# Altium PCB Buck_60W20V.pcbdoc (part 1 of 2)
Units mm, origin at the board's own origin, x right, y up, seen from the top; angles counter-clockwise.
Board outline 100.05 x 100.05 mm, 2 copper layers (Top Layer, Bottom Layer), stack 1.671 mm thick; 155 components, 86 nets, 482 pads, 532 vias.
Unrouted connection lines stored in the file: 116.
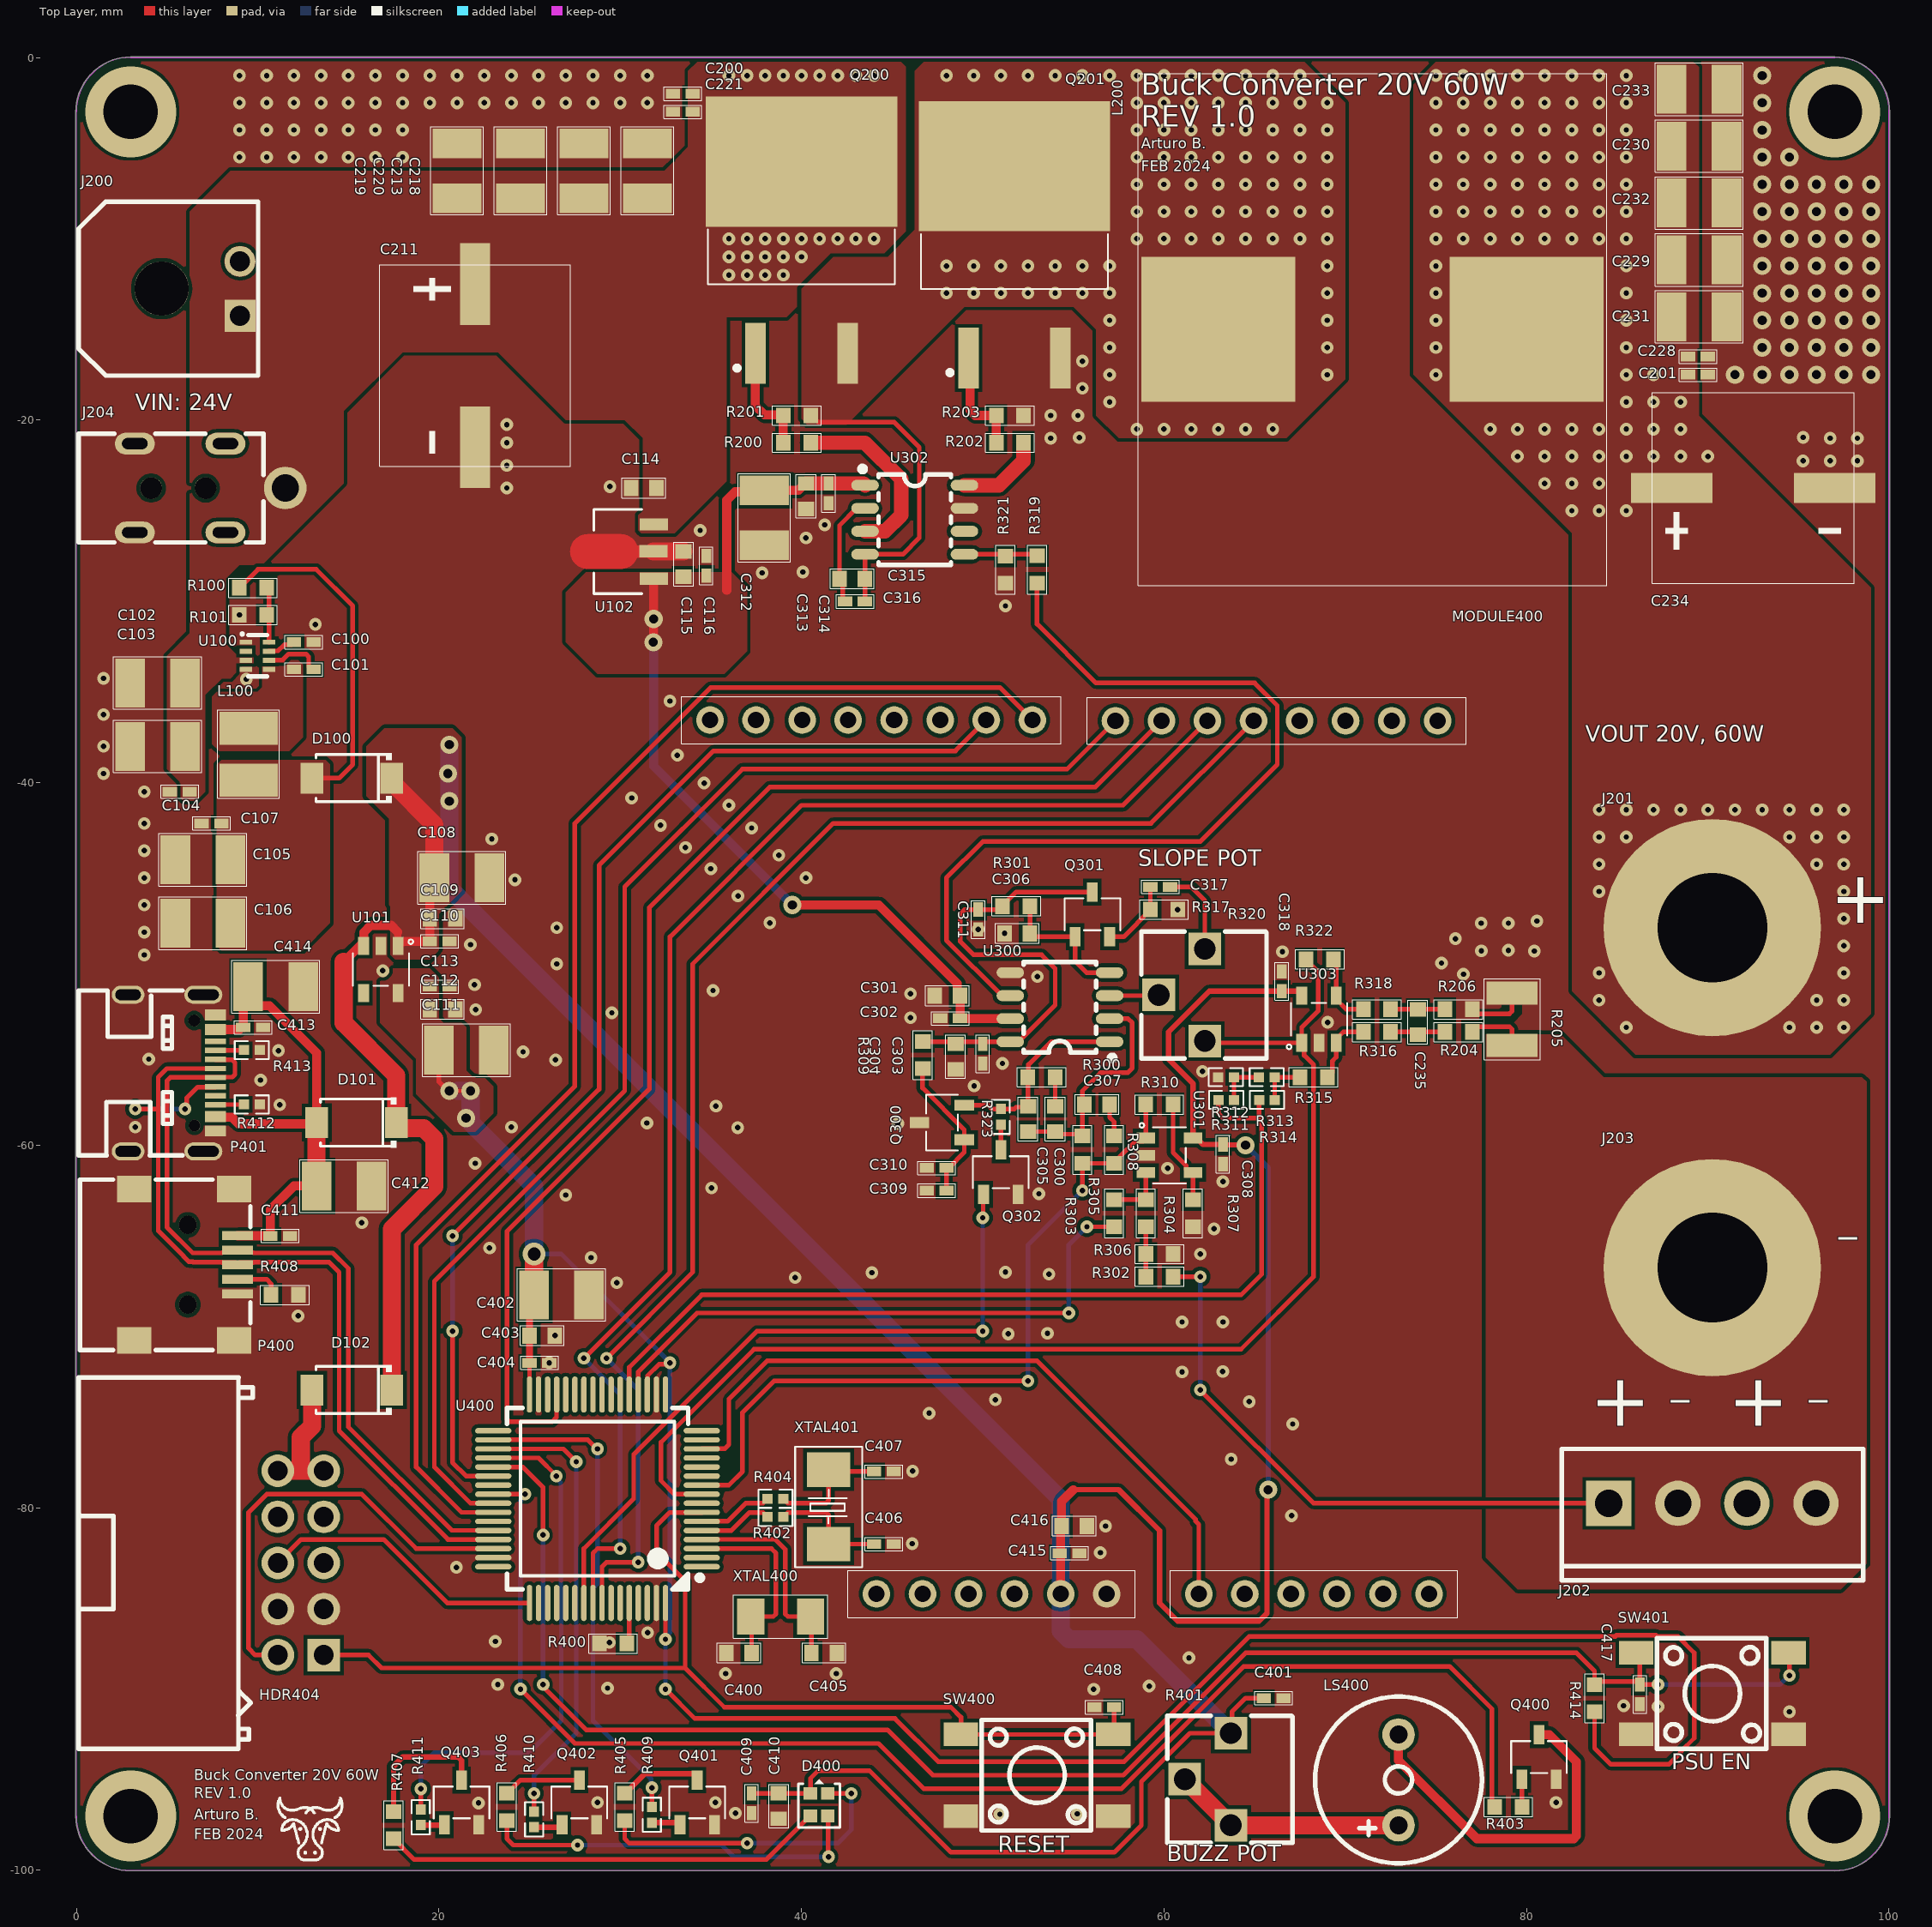
[diagram p0: Top Layer view]
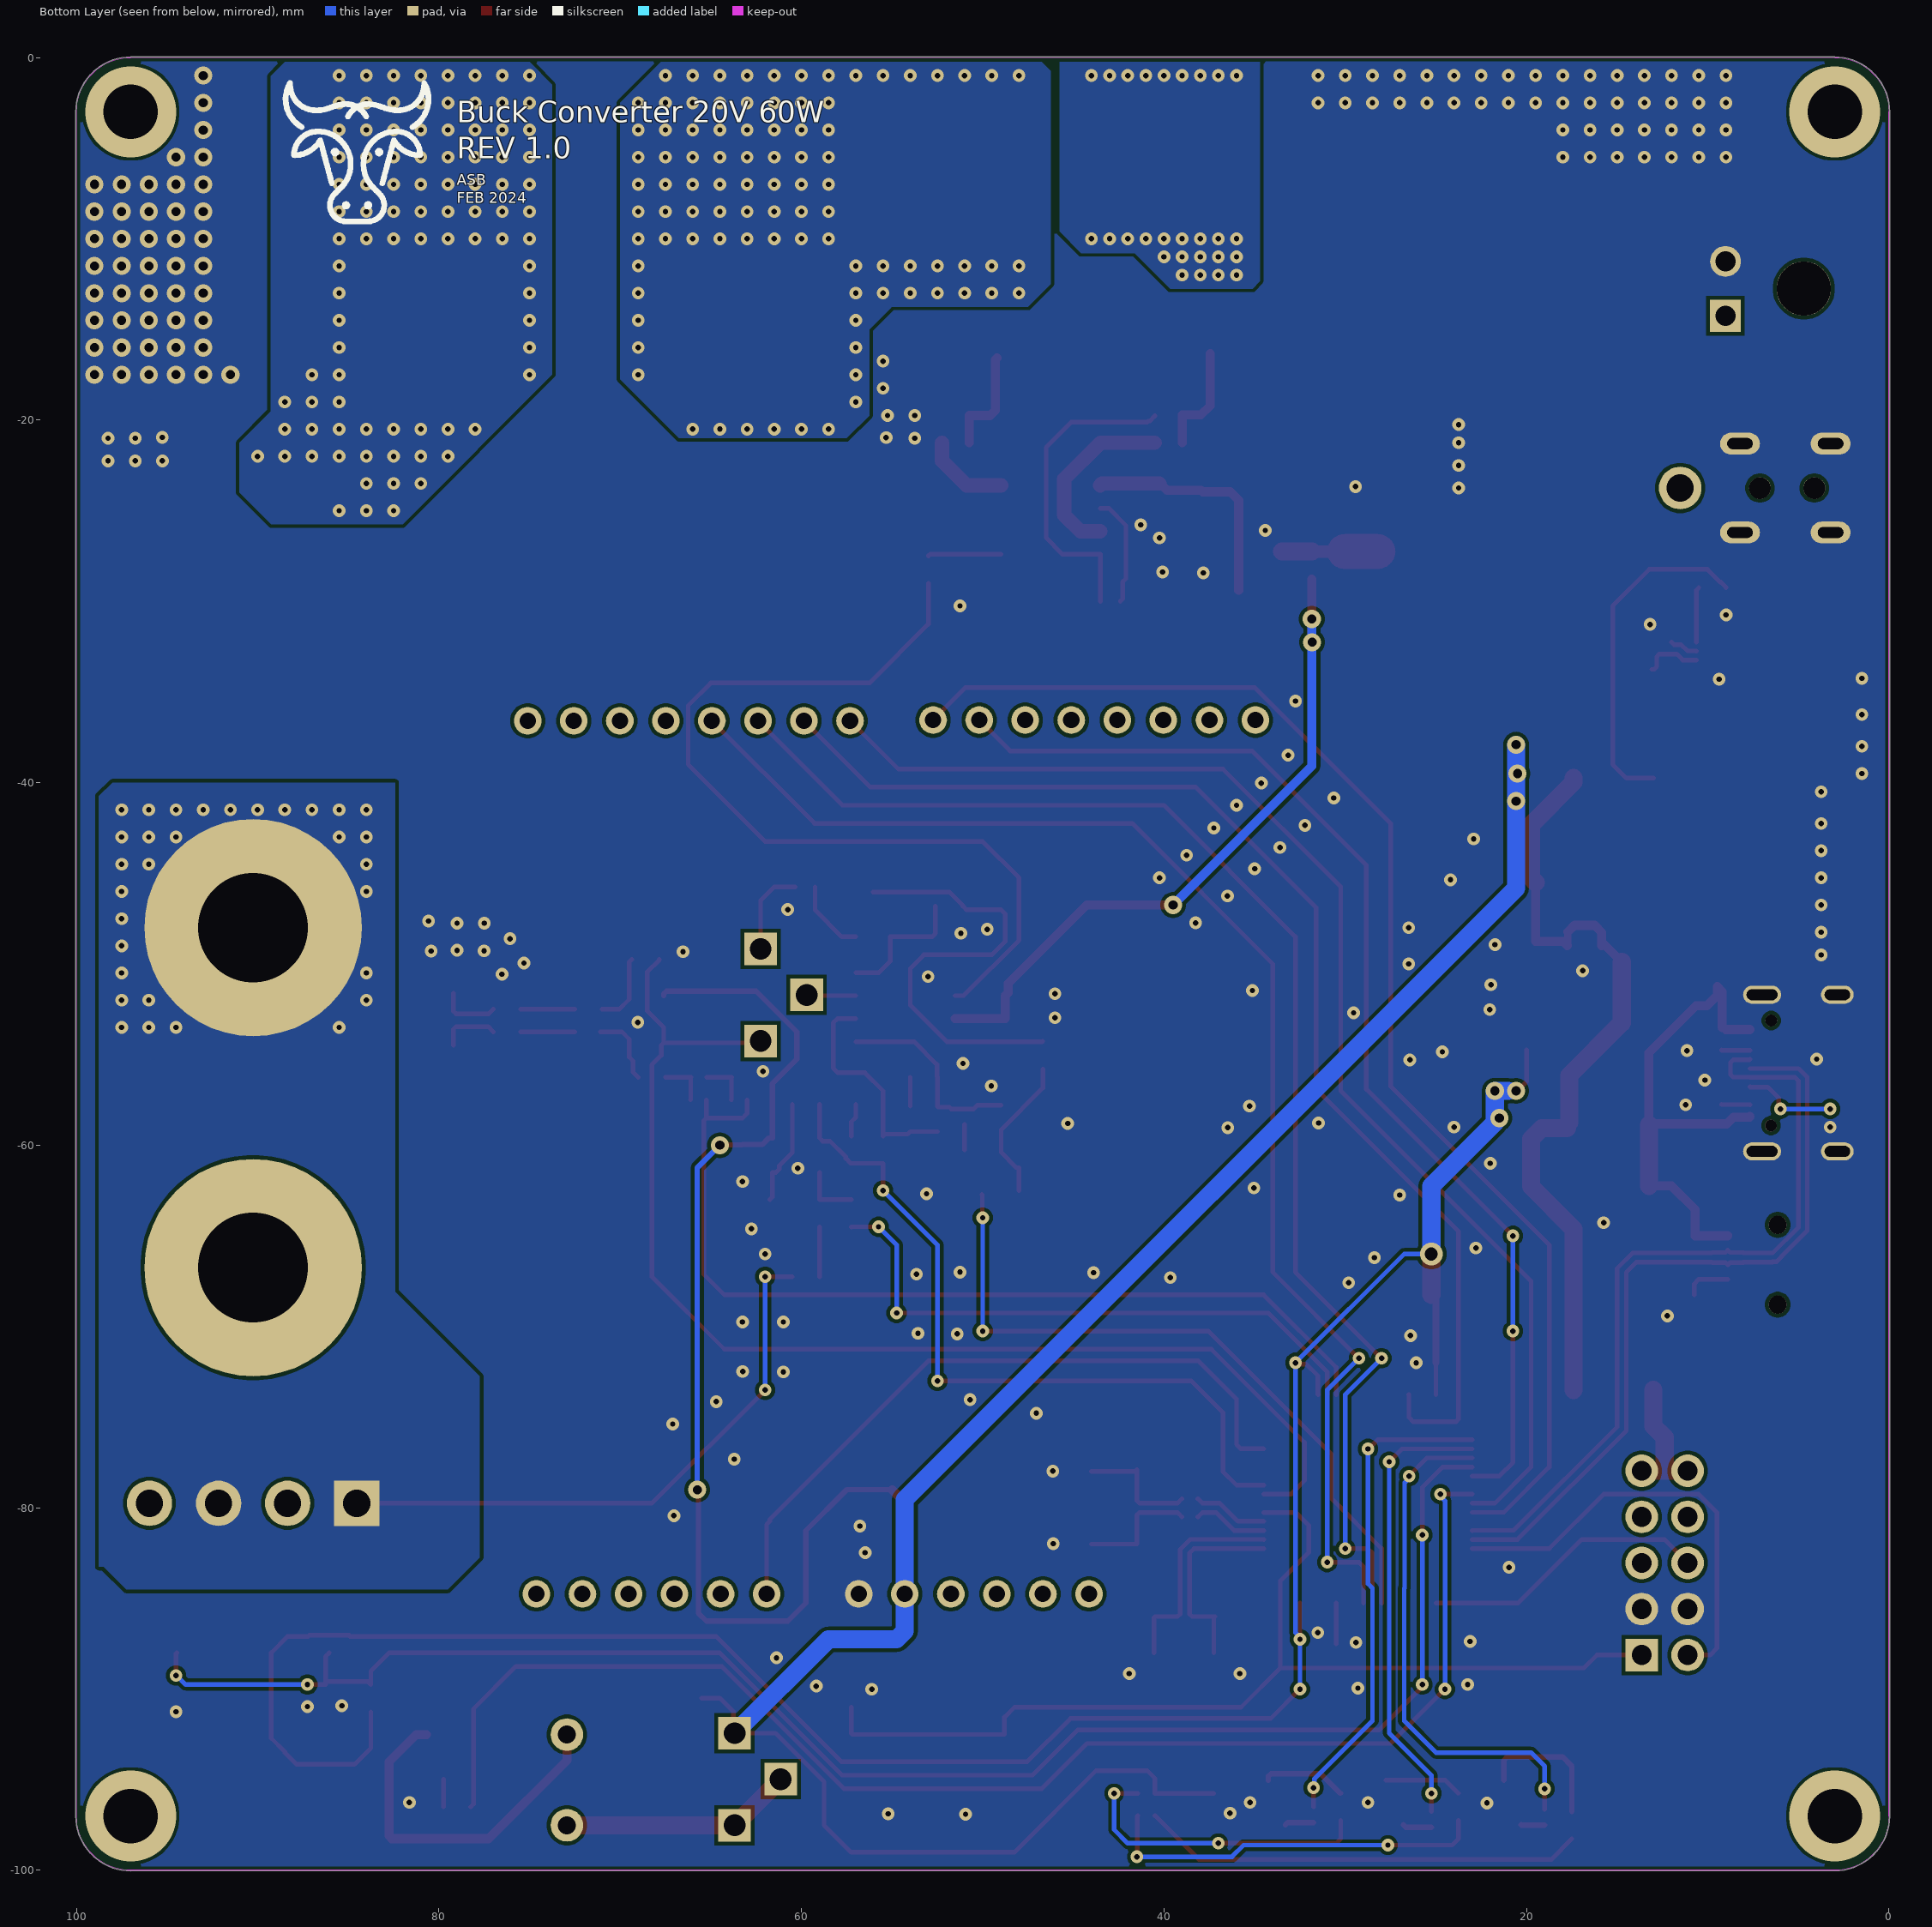
[diagram p1: Bottom Layer view, seen from below]

## Layer stack, top to bottom
Top Solder: solder mask 0.0102, Solder Resist, Dk 3.5
Top Layer: signal copper 0.0356
Dielectric 1: dielectric 1.6, FR-4, Dk 4.8
Bottom Layer: signal copper 0.0356
Bottom Solder: solder mask 0.0102, Solder Resist, Dk 3.5

## Board outline
2.728,-100.013 cw(c3,-97) -0.025,-97 -0.025,-3 cw(c3,-3) 3,0.025 97,0.025 cw(c97,-3) 100.025,-3 100.025,-97 cw(c97,-97) 97,-100.025

## Design rules (kind name [scope] priority, off if disabled: settings)
Clearance [All] p1: gap=0.2 ignorepadtopadclearanceinfootprint=TRUE
DiffPairsRouting [All] p1: maxlimit=0.254 minlimit=0.1 mostfreqgap=0.254 toplayer_minwidth=0.254 toplayer_maxwidth=0.381 toplayer_prefwidth=0.381 bottomlayer_minwidth=0.254 bottomlayer_maxwidth=0.381 bottomlayer_prefwidth=0.381 maxuncoupledlength=12.7
PolygonConnect [All] p1: connectstyle=Direct reliefconductorwidth=0.254 reliefentries=4 polygonreliefangle="90 Angle" airgapwidth=0.254
RoutingVias [All] p1: holewidth=0.711 width=1.27 viastyle="Through Hole" minholewidth=0.711 minwidth=1.27 maxholewidth=0.711 maxwidth=1.27
SilkToSilkClearance [All] p1: silktosilkclearance=0
SilkToSolderMaskClearance [IsPad] p1: minsilkscreentomaskgap=0 clearancetoexposedcopper=TRUE
SolderMaskExpansion Tent_Vias [IsVia] p1: expansion=0.102 istentingtop=TRUE
SolderMaskExpansion [All] p2: expansion=0.102 istentingtop=FALSE
Width [All] p1: maxlimit=10 minlimit=0.203 preferedwidth=0.254
27 further rules are at their usual default settings.

## Classes and differential pairs
component class U_MCU_buck: C400 C401 C402 C403 C404 C405 C406 C407 C408 C409 C410 C411 C412 C413 C414 C415 C416 C417 D400 HDR404 LS400 MODULE400 P400 P401 Q400 Q401 Q402 Q403 R400 R401 R402 R403 R404 R405 R406 R407 R408 R409 R410 R411 R412 R413 R414 SW400 SW401 U400 XTAL400 XTAL401
component class U_Main_Buck: C200 C201 C211 C213 C218 C219 C220 C221 C228 C229 C230 C231 C232 C233 C234 C235 J200 J201 J202 J203 J204 L200 Q200 Q201 R200 R201 R202 R203 R204 R205 R206
component class U_Feedback_Controller_Buck: C300 C301 C302 C303 C304 C305 C306 C307 C308 C309 C310 C311 C312 C313 C314 C315 C316 C317 C318 Q300 Q301 Q302 R300 R301 R302 R303 R304 R305 R306 R307 R308 R309 R310 R311 R312 R313 R314 R315 R316 R317 R318 R319 R320 R321 R322 R323 U300 U301 U302 U303
component class Top_View: C100 C101 C102 C103 C104 C105 C106 C107 C108 C109 C110 C111 C112 C113 C114 C115 C116 D100 D101 D102 L100 R100 R101 U100 U101 U102
differential pair xtal_8meg: +xtal_8meg_P -xtal_8meg_N
differential pair xtal_32k: +xtal_32k_P -xtal_32k_N
differential pair USB_D: +USB_D_P -USB_D_N
differential pair shunt_fil: +shunt_fil_P -shunt_fil_N
differential pair _xtal_8meg: +_xtal_8meg_P -_xtal_8meg_N

## Components (designator, comment, footprint, x,y, rotation, side; value= is the part's Value field where it differs from the comment)
C100 "CAPACITOR" CAP_0402 12.545,-32.25 r0 top value=100N
C101 "CAPACITOR" CAP_0402 12.545,-33.75 r180 top value=100N
C102 "CAPACITOR" CAP_1210 4.483,-34.5 r0 top value=10U
C103 "CAPACITOR" CAP_1210 4.483,-38 r0 top value=10U
C104 "CAPACITOR" CAP_0402 5.705,-40.5 r0 top value=100N
C105 "CAPACITOR" CAP_1210 6.983,-44.25 r0 top value=10U
C106 "CAPACITOR" CAP_1210 6.983,-47.75 r0 top value=10U
C107 "CAPACITOR" CAP_0402 7.455,-42.25 r0 top value=100N
C108 "CAPACITOR" CAP_1210 21.267,-45.25 r180 top value=10U
C109 "CAPACITOR" CAP_0603 20.2,-47.5 r180 top value=1U
C110 "CAPACITOR" CAP_0402 20.045,-48.75 r180 top value=100N
C111 "CAPACITOR" CAP_1210 21.517,-54.75 r180 top value=10U
C112 "CAPACITOR" CAP_0603 20.2,-52.5 r180 top value=1U
C113 "CAPACITOR" CAP_0402 20.045,-51.25 r180 top value=100N
C114 "CAPACITOR" CAP_0603 31.3,-23.75 r0 top value=1U
C115 "CAPACITOR" CAP_0603 33.5,-27.95 r270 top value=1U
C116 "CAPACITOR" CAP_0402 34.75,-28.045 r90 top value=100N
C200 "CAPACITOR" CAP_0402 33.455,-2 r0 top value=1N
C201 "CAPACITOR" CAP_0402 89.455,-17.5 r0 top value=1N
C211 "CAPACITOR_POLARIZED" CAP_SMD_UUD1H221MNL1GS 22,-17 r270 top value=220U
C213 "CAPACITOR" CAP_1210 28,-6.25 r90 top value=10U
C218 "CAPACITOR" CAP_1210 31.5,-6.25 r90 top value=10U
C219 "CAPACITOR" CAP_1210 21,-6.25 r90 top value=10U
C220 "CAPACITOR" CAP_1210 24.5,-6.25 r90 top value=10U
C221 "CAPACITOR" CAP_0402 33.455,-3 r0 top value=10N
C228 "CAPACITOR" CAP_0402 89.455,-16.5 r180 top value=10N
C229 "CAPACITOR" CAP_1210 89.517,-11.164 r0 top value=10U
C230 "CAPACITOR" CAP_1210 89.517,-4.888 r0 top value=10U
C231 "CAPACITOR" CAP_1210 89.517,-14.302 r0 top value=10U
C232 "CAPACITOR" CAP_1210 89.517,-8.026 r0 top value=10U
C233 "CAPACITOR" CAP_1210 89.517,-1.75 r0 top value=10U
C234 "CAPACITOR_POLARIZED" CAP_SMD_UUD1H221MNL1GS 92.5,-23.75 r0 top value=220U
C235 "CAPACITOR" CAP_0603 74,-53.2 r270 top value=2N2
C300 "CAPACITOR" CAP_0603 54,-58.55 r90 top value=470P
C301 "CAPACITOR" CAP_0603 48.05,-51.75 r0 top value=1U
C302 "CAPACITOR" CAP_0402 48.205,-53 r0 top value=100N
C303 "CAPACITOR" CAP_0402 50,-54.955 r90 top value=100N
C304 "CAPACITOR" CAP_0603 48.5,-55.11 r90 top value=1U
C305 "CAPACITOR" CAP_0603 52.5,-58.55 r90 top value=18P
C306 "CAPACITOR" CAP_0603 51.905,-48.313 r180 top value=1N
C307 "CAPACITOR" CAP_0603 56.3,-57.75 r180 top value=1N
C308 "CAPACITOR" CAP_0402 63.25,-60.5 r90 top value=100N
C309 "CAPACITOR" CAP_0402 47.455,-62.5 r0 top value=100N
C310 "CAPACITOR" CAP_0402 47.455,-61.25 r0 top value=100N
C311 "CAPACITOR" CAP_0402 49.75,-47.545 r90 top value=100N
C312 "CAPACITOR" CAP_1210 37.949,-25.388 r90 top value=10U
C313 "CAPACITOR" CAP_0603 40.25,-24.2 r270 top value=1U
C314 "CAPACITOR" CAP_0402 41.5,-24.045 r90 top value=100N
C315 "CAPACITOR" CAP_0603 42.8,-28.75 r180 top value=1U
C316 "CAPACITOR" CAP_0402 42.955,-30 r0 top value=100N
C317 "CAPACITOR" CAP_0402 59.795,-45.75 r180 top value=100N
C318 "CAPACITOR" CAP_0402 66.5,-50.955 r270 top value=100N
C400 "CAPACITOR" CAP_0603 36.55,-88 r0 top value=18P
C401 "CAPACITOR" CAP_0402 66.045,-90.5 r180 top value=100N
C402 "CAPACITOR" CAP_1210 26.767,-68.25 r180 top value=10U
C403 "CAPACITOR" CAP_0603 25.7,-70.5 r180 top value=1U
C404 "CAPACITOR" CAP_0402 25.545,-72 r180 top value=10N
C405 "CAPACITOR" CAP_0603 41.25,-88 r180 top value=18P
C406 "CAPACITOR" CAP_0402 44.545,-82 r180 top value=36P
C407 "CAPACITOR" CAP_0402 44.545,-78 r180 top value=36P
C408 "CAPACITOR" CAP_0402 56.705,-91 r0 top value=100N
C409 "CAPACITOR" CAP_0402 37.25,-96.295 r90 top value=100N
C410 "CAPACITOR" CAP_0603 38.75,-96.45 r90 top value=1U
C411 "CAPACITOR" CAP_0402 11.25,-65 r180 top value=100N
C412 "CAPACITOR" CAP_1210 14.767,-62.25 r180 top value=10U
C413 "CAPACITOR" CAP_0402 9.75,-53.5 r180 top value=100N
C414 "CAPACITOR" CAP_1210 11,-51.25 r180 top value=10U
C415 "CAPACITOR" CAP_0402 54.795,-82.5 r180 top value=100N
C416 "CAPACITOR" CAP_0603 55.05,-81 r180 top value=1U
C417 "CAPACITOR" CAP_0402 86.25,-90.295 r270 top value=100N
D100 "DIODE" SOD-128 15.2,-39.75 r180 top value=PMEG3010EP,115
D101 "DIODE" SOD-128 15.45,-58.75 r180 top value=PMEG3010EP,115
D102 "DIODE" SOD-128 15.2,-73.5 r180 top value=PMEG3010EP,115
D400 "LED_RGB_COMMON_P" LED_0603 40.975,-96.37 r90 top value=E6C0606RGBC3UDA
HDR404 "HEADER_2X5P_2.54mm" SOCKET_2X5P_2.54mm_HORZ_X9555WR 12.383,-83.04 r270 top locked value=X9555WR-2x05-6TV01
J200 "JACK_2P" CON_436500200 9.027,-12.75 r270 top locked value=436500200
J201 "JACK_1P" BANANA_JACK_RED_24.247.1 90.25,-48 r0 top value=24.247.1
J202 "JACK_4P" CON_1803442 90.25,-79.75 r0 top value=1803442
J203 "JACK_1P" BANANA_JACK_BLACK_24.247.2 90.25,-66.75 r0 top value=24.247.2
J204 "JACK_2P" CON_DC-058A-D010 11.527,-23.75 r0 top locked value=DC-058A-D010
L100 "INDUCTOR" IND_LQH3NPN6R8MMEL 9.5,-38.428 r90 top value=6U8
L200 "INDUCTOR" IND_74437429203151 71.5,-15 r0 top value=150U
LS400 "BUZZER" BUZZER_HNB09A03 72.936,-95.011 r90 top value=HNB09A03
MODULE400 "LCD_MODULE_16X2" LCD_MODULE_16X2 55.028,-60.65 r90 top locked value="LCD 16X2"
P400 "USB_Mini-B" USB_Mini-B_UX-144S-ACP5 6.049,-66.593 r270 top locked value=UX-144S-ACP5
P401 "USB-C_2.0" USB-C_2.0_12PIN 5.267,-56.019 r270 top locked value=TYPEC-304-ACP16
Q200 "MOSFET_NCHANNEL" D2PAK 40,-11.036 r270 top value=IRFS3806TRLPBF
Q201 "MOSFET_NCHANNEL" D2PAK 51.75,-11.286 r270 top value=IRFS3806TRLPBF
Q300 "BJT_PNP" SOT-23 47.75,-58.75 r0 top value=2SA1585
Q301 "BJT_NPN" SOT-23 56.05,-47.265 r270 top value=2SD596
Q302 "BJT_NPN" SOT-23 51,-61.485 r270 top value=2SD596
Q400 "BJT_NPN" SOT-23 80.686,-93.746 r270 top value=2SD596
Q401 "BJT_NPN" SOT-23 34.25,-96.25 r270 top value=2SD596
Q402 "BJT_NPN" SOT-23 27.75,-96.25 r270 top value=2SD596
Q403 "BJT_NPN" SOT-23 21.25,-96.25 r270 top value=2SD596
R100 "RESISTOR" RES_0603 9.747,-29.25 r180 top value=52K3
R101 "RESISTOR" RES_0603 9.747,-30.75 r0 top value=10K
R200 "RESISTOR" RES_0603 39.753,-21.25 r180 top value=2R2
R201 "RESISTOR" RES_0603 39.753,-19.75 r180 top value=10K
R202 "RESISTOR" RES_0603 51.5,-21.25 r180 top value=2R2
R203 "RESISTOR" RES_0603 51.5,-19.75 r180 top value=10K
R204 "RESISTOR" RES_0603 76.247,-53.75 r180 top value=100R
R205 "RESISTOR" RES_1210 79.203,-53.054 r270 top value=0.033R
R206 "RESISTOR" RES_0603 76.247,-52.5 r180 top value=100R
R300 "RESISTOR" RES_0603 53.247,-56.25 r180 top value=249K
R301 "RESISTOR" RES_0603 51.852,-46.813 r180 top value=24K3
R302 "RESISTOR" RES_0603 59.753,-67.25 r0 top value=100K
R303 "RESISTOR" RES_0603 57.25,-63.753 r270 top value=470K
R304 "RESISTOR" RES_0603 59,-63.753 r90 top value=470K
R305 "RESISTOR" RES_0603 55.5,-60.247 r90 top value=100K
R306 "RESISTOR" RES_0603 59.753,-66 r180 top value=14K3
R307 "RESISTOR" RES_0603 61.596,-63.755 r90 top value=470K
R308 "RESISTOR" RES_0603 57.25,-60.247 r90 top value=4K22
R309 "RESISTOR" RES_0603 46.698,-55.028 r90 top value=10K
R310 "RESISTOR" RES_0603 59.747,-57.75 r180 top value=470K
R311 "RESISTOR" RES_0402 63.433,-57.5 r0 top value=10K5
R312 "RESISTOR" RES_0402 63.417,-56.25 r180 top value=5K
R313 "RESISTOR" RES_0402 65.667,-56.25 r0 top value=0R
R314 "RESISTOR" RES_0402 65.683,-57.5 r0 top value=0R
R315 "RESISTOR" RES_0603 68.253,-56.25 r180 top value=100K
R316 "RESISTOR" RES_0603 71.747,-53.75 r180 top value=100K
R317 "RESISTOR" RES_0603 60.003,-47 r180 top value=10K
R318 "RESISTOR" RES_0603 71.747,-52.5 r180 top value=100K
R319 "RESISTOR" RES_0603 53,-28.247 r270 top value=10K
R320 "RESISTOR_POT" RES_GF063P1-B102 60.98,-51.71 r90 top value=1K
R321 "RESISTOR" RES_0603 51.25,-28.253 r90 top value=10K
R322 "RESISTOR" RES_0603 68.597,-49.75 r180 top value=100K
R323 "RESISTOR" RES_0402 51,-58.433 r90 top value=0R
R400 "RESISTOR" RES_0603 29.613,-87.482 r180 top value=10K
R401 "RESISTOR_POT" RES_GF063P1-B102 62.416,-94.971 r90 top value=1K
R402 "RESISTOR" RES_0402 38.567,-80.5 r180 top value=0R
R403 "RESISTOR" RES_0603 78.997,-96.5 r0 top value=3K9
R404 "RESISTOR" RES_0402 38.567,-79.5 r180 top value=0R
R405 "RESISTOR" RES_0603 30.25,-96.497 r270 top value=100R
R406 "RESISTOR" RES_0603 23.75,-96.497 r270 top value=100R
R407 "RESISTOR" RES_0603 17.5,-97.503 r270 top value=100R
R408 "RESISTOR" RES_0603 11.5,-68.25 r180 top value=10K
R409 "RESISTOR" RES_0402 31.75,-96.933 r270 top value=5K1
R410 "RESISTOR" RES_0402 25.25,-97.183 r270 top value=5K1
R411 "RESISTOR" RES_0402 19,-97.067 r270 top value=5K1
R412 "RESISTOR" RES_0402 9.683,-57.75 r0 top value=5K1
R413 "RESISTOR" RES_0402 9.683,-54.75 r0 top value=5K1
R414 "RESISTOR" RES_0603 83.75,-90.503 r270 top value=10K
SW400 "SWITCH_SPST" SMD_TSA063G60-250 53,-94.75 r0 top value=TSA063G60-250
SW401 "SWITCH_SPST" SMD_TSA063G60-250 90.25,-90.25 r0 top value=TSA063G60-250
U100 "BUCK-CHIP_8P" SOT-583 10,-33 r180 top value=TPS62933DRLR
U101 "LDO_5P" SOT-23-5 16.8,-50.3 r90 top value=AP2112K-3.3TRG1
U102 "L78L12ABUTR" SOT-98-3 30.5,-27.25 r0 top
U300 "PWM-CONTROLLER_8P" SOIC-8 54.26,-52.385 r180 top value=UC3843D8TR
U301 "OPAMP_1" SOT-23-5 60.3,-60.555 r180 top value=AD8628ARTZ-REEL7
U302 "GATEDRIVE_8P_SINGLE-PWM" SOIC-8 46.25,-25.5 r0 top value=MIC4605-2YM
U303 "OPAMP_1" SOT-23-5 68.55,-53.05 r270 top value=AD8628ARTZ-REEL7
U400 "MCU_STM32L476RGT6" LQFP-64 28.75,-79.5 r90 top locked value=STM32L476RGT6
XTAL400 "XTAL" SMD_W1.5mm_L4.1mm_3141M-32.768DTNTLLLL 38.85,-86 r0 top value=3141M-32.768DTNTLLLL
XTAL401 "XTAL" SMD_W3.2mm_L5.0m_X50328MSB2GI 41.5,-79.95 r270 top value=X50328MSB2GI

## Footprints (in the part's own frame and the unit in brackets; to place one, negate y for a bottom-side part, rotate by r counter-clockwise, add the part's x,y. Pads: shape width x height; smd on the part's side, far side on the other; paste and mask are expansions set on the pad)
BANANA_JACK_BLACK_24.247.2 [mm]
  round 12 hole 6.05: 1(0,0)
  body extent -5,-5 5,5, height 11
BANANA_JACK_RED_24.247.1 [mm]
  round 12 hole 6.05: 1(0,0)
  body extent -5,-5 5,5, height 11
BUZZER_HNB09A03 [mm]
  round 1.8 hole 1 paste+0 mask+0.051: 1(-2.5,0) 2(2.5,0)
  silkscreen extent -4.6,-4.6 4.6,4.6, body extent -4.5,-4.5 4.5,4.5, height 5.5
CAP_0402 [mm]
  rect 0.79x0.54 smd paste-100 mask+0.051: 1(-0.545,0) 2(0.545,0)
  silkscreen extent -1.04,-0.37 1.04,0.37, body extent -0.6,-0.26 0.6,0.26, height 0.51
CAP_0603 [mm]
  rect 0.8x0.9 smd paste+0 mask+0.051: 1(-0.7,0) 2(0.7,0)
  silkscreen extent -1.2,-0.55 1.2,0.55, body extent -0.93,-0.41 0.93,0.41, height 0.81
CAP_1210 [mm]
  rect 1.635x2.7 smd paste-100 mask+0.051: 1(-1.517,0) 2(1.517,0)
  silkscreen extent -2.43,-1.45 2.43,1.45, body extent -1.8,-1.4 1.8,1.4, height 2.2
CAP_SMD_UUD1H221MNL1GS [mm]
  rect 4.5x1.65 smd paste+0 mask+0.051: 1(-4.5,0) 2(4.5,0)
  silkscreen extent -5.56,-5.26 5.56,5.26, body extent -5.45,-5.15 5.45,5.15, height 10.8
CON_1803442 [mm]
  rect 2.5x2.5 hole 1.5 paste+0 mask+0.051: 1(-5.715,0)
  round 2.5 hole 1.5 paste+0 mask+0.051: 2(-1.905,0) 3(1.905,0) 4(5.715,0)
  silkscreen extent -8.31,-4.25 8.31,3, body extent -8.2,-4.33 8.43,2.92, height 9.2
CON_436500200 [mm]
  rect 1.778x1.7 hole 1.1 paste+0 mask+0.051: 1(1.5,0)
  round 1.7 hole 1.1 paste+0 mask+0.051: 2(-1.5,0)
  round 3 hole 3 unplated paste+0: ""(0,-4.32)
  silkscreen extent -4.8,-8.9 4.8,1, body extent -4.7,-9.01 4.95,0.89, height 5.06
CON_DC-058A-D010 [mm]
  round 2.35 hole 1.5 paste+0 mask+0.05: 1(0,0)
  oval 2.2x1.2 hole 0.6 slot 1.4 at 0 deg paste+0 mask+0.05: 2(-8.3,-2.45) 2(-8.3,2.45) 2(-3.3,-2.45) 2(-3.3,2.45)
  round 1.2 hole 1.2 unplated paste+0: ""(-7.4,0) ""(-4.4,0)
  silkscreen extent -11.4,-3 -1.2,3, body extent -11.4,-3 -1.2,3, height 4.6
D2PAK [mil]
  rect 132.23x44.65 smd paste+0 mask+2: 1(208.1,-100) 3(208.1,100)
  rect 282.7x416 smd paste+0 mask+2: 4(-208.1,0)
  silkscreen extent -61,-203 245,203, body extent -330,-202 261,199, height 177
IND_74437429203151 [mm]
  rect 8.5x8 smd: 1(-8.5,0) 2(8.5,0)
  silkscreen extent -12.94,-14.12 12.94,14.12, body extent -12.5,-14 12.5,14, height 20.5
IND_LQH3NPN6R8MMEL [mm]
  rect 1.824x3.22 smd paste+0 mask+0.051: 1(1.428,0) 2(-1.428,0)
  silkscreen extent -2.44,-1.71 2.44,1.71, body extent -1.5,-1.5 1.5,1.5, height 1.5
LCD_MODULE_16X2 [mm]
  round 1.524 hole 0.9: 1(-24.1,10.888) 2(-24.1,8.348) 3(-24.1,5.808) 4(-24.1,3.268) 5(-24.1,0.728) 6(-24.1,-1.812) 7(-24.1,-6.892) 8(-24.1,-9.432) 9(-24.1,-11.972) 10(-24.1,-14.512) 11(-24.1,-17.052) 12(-24.1,-19.592) 13(24.06,-20.072) 14(24.06,-17.532) 15(24.06,-14.992) 16(24.06,-12.452) 17(24.06,-9.912) 18(24.06,-7.372) 19(24.06,-4.832) 20(24.06,-2.292) 21(24.1,2.292) 22(24.1,4.832) 23(24.1,7.372) 24(24.1,9.912) 25(24.1,12.452) 26(24.1,14.992) 27(24.1,17.532) 28(24.1,20.072)